# Altium PCB RTM_SFP.PcbDoc (part 15 of 17)
Units mil, origin at the board's own origin, x right, y up, seen from the top; angles counter-clockwise.
Board outline 7185 x 5846.5 mil, 4 copper layers (Top Layer, MidPlane_1, MidPlane_2, Bottom Layer), stack 63.553 mil thick; 389 components, 333 nets, 1578 pads, 1486 vias.
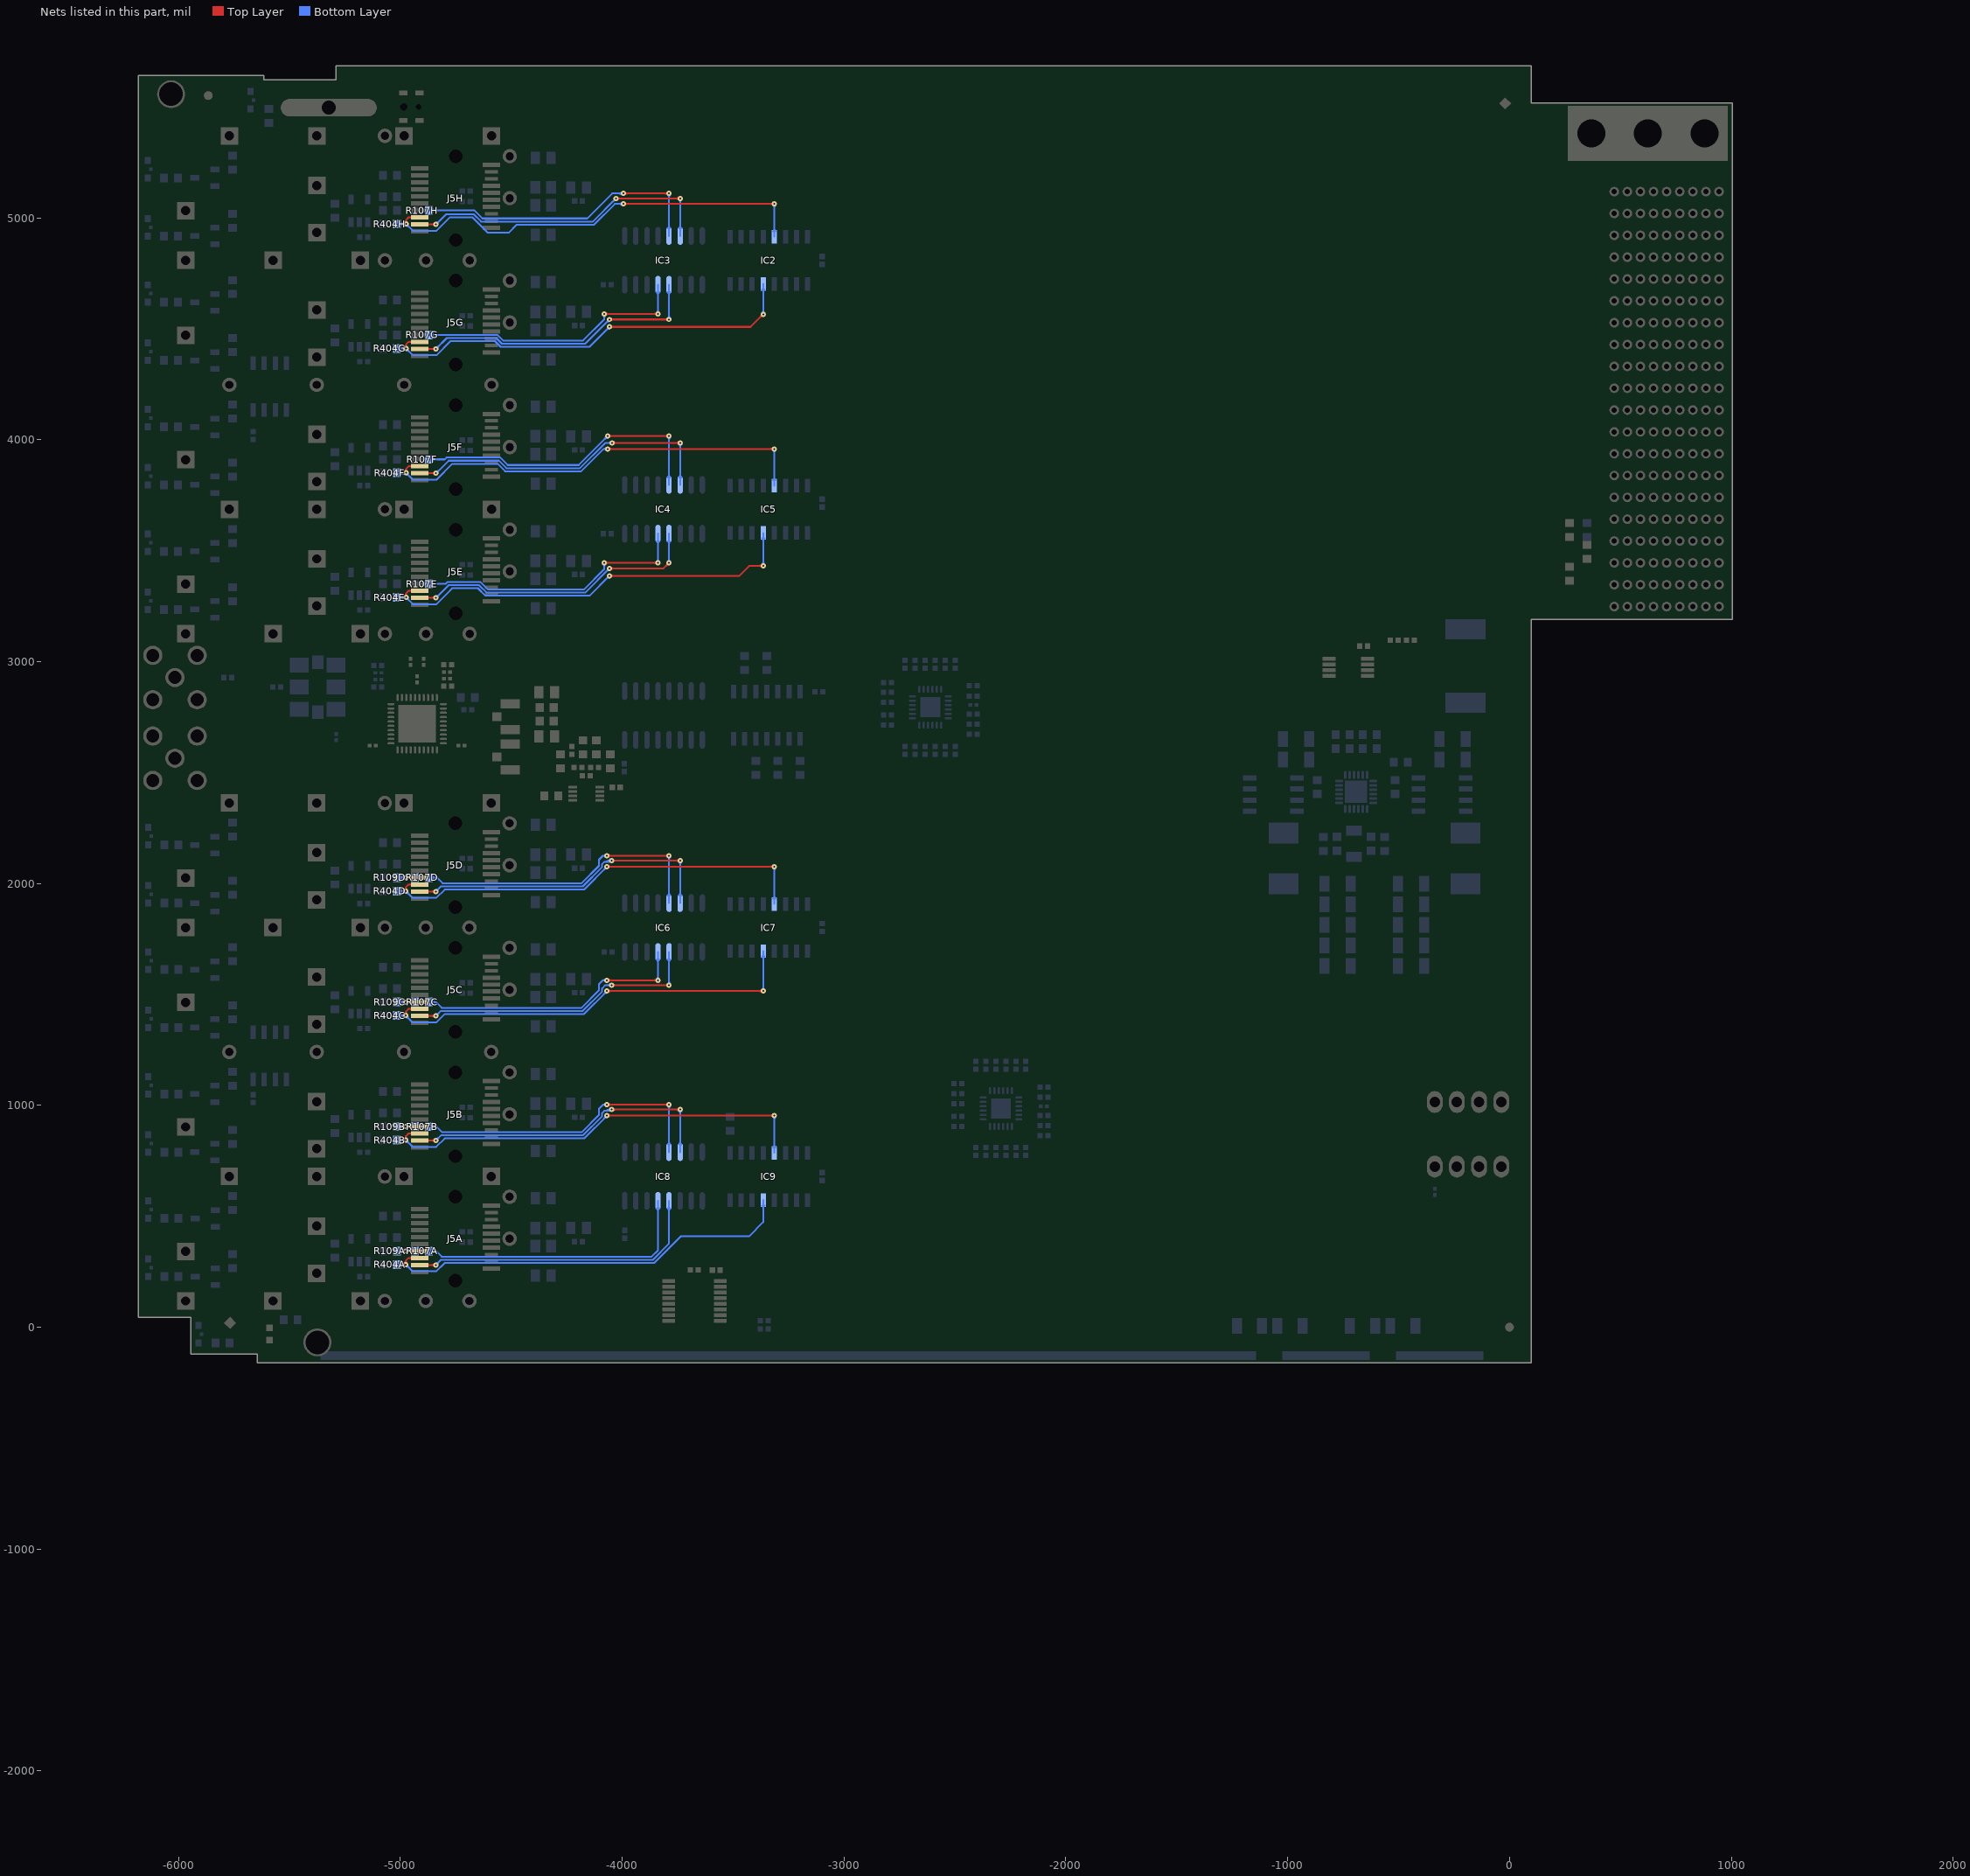
[diagram p17: the nets of this part, all layers, seen from the top]

## Via types
v1: diameter 23.62, hole 7.87, Top Layer to Bottom Layer, tented both sides, 1401 vias
v2: diameter 27.56, hole 11.81, Top Layer to Bottom Layer, tented both sides, 59 vias
v3: diameter 25.98, hole 12.99, Top Layer to Bottom Layer, tented top, 24 vias
v4: diameter 23.62, hole 11.81, Top Layer to Bottom Layer, tented both sides, 2 vias

## Nets (pads, with @x,y where several pads share a name; then routed paths per layer and width w, separated by ;. In a path a pad name is that pad's centre, name@x,y a point inside that pad or via, vN(x,y) a via of type N, cw(c..) or ccw(c..) an arc to the next point about the centre after c; other vN are vias at no path point) (continued)
SFP_LOS1: IC2.13 J5H.8 R404H.1 | length 2621
  Top Layer w7.99: v1(-4974.92,4972.64) -4974.92,4990.22 ; J5H.8@-4946.08,4998.09 ccw(c-4956.06,4988.11) -4956.06,5002.22 ccw(c-4956.06,5016.34) J5H.8@-4946.08,5006.36 ; J5H.8@-4912.42,5002.22 -4962.92,5002.22 -4974.92,4990.22 ; v1(-3995.28,5062.99) v1(-3314.17,5062.99) ; -4974.92,4990.22 cw(c-4990.79,4990.22) -4980.16,4978.44 ccw(c-4990.79,4990.22) -4974.92,4990.22 ; -4974.92,4990.22 ccw(c-4959.05,4990.22) -4969.68,4978.44 cw(c-4959.05,4990.22) -4974.92,4990.22 ; -3976.41,5062.99 cw(c-3976.41,5081.86) -3989.75,5068.52 ccw(c-3976.41,5081.86) -3976.41,5062.99 ; -3976.41,5062.99 ccw(c-3976.41,5044.12) -3989.75,5057.47 cw(c-3976.41,5044.12) -3976.41,5062.99 ; -3333.04,5062.99 cw(c-3333.04,5044.12) -3319.7,5057.47 ccw(c-3333.04,5044.12) -3333.04,5062.99 ; -3333.04,5062.99 ccw(c-3333.04,5081.86) -3319.7,5068.52 cw(c-3333.04,5081.86) -3333.04,5062.99
  Bottom Layer w7.99: R404H.1@-5015.75,4972.64 v1(-4974.92,4972.64) -4944.01,4941.73 -4837.66,4941.73 -4777.27,5002.12 -4674.47,5002.12 -4605.53,4933.17 -4511.71,4933.17 -4475.44,4969.44 -4126.42,4969.44 -4032.87,5062.99 v1(-3995.28,5062.99) ; R404H.1@-5006.05,4962.94 cw(c-4982.62,4939.52) -4982.62,4972.64 cw(c-4982.62,5005.76) R404H.1@-5006.05,4982.34 ; -4995.85,4969.1 cw(c-4990.71,4949.92) v1@-4979.38,4966.22 ; -4995.85,4976.18 ccw(c-4990.71,4995.36) v1@-4979.38,4979.06 ; -4989.01,4970.93 ccw(c-4992.13,4982.58) v1@-4981.69,4976.55 ; -4989.01,4974.35 cw(c-4992.13,4962.7) v1@-4981.69,4968.73 ; IC2.13@-3319.7,4939.05 ccw(c-3333.04,4952.39) -3314.17,4952.39 ccw(c-3295.31,4952.39) IC2.13@-3308.65,4939.05 ; IC2.13@-3314.17,4914.82 v1(-3314.17,5062.99) ; -4993.79,4972.64 cw(c-4993.79,4953.77) -4980.45,4967.11 ccw(c-4993.79,4953.77) -4993.79,4972.64 ; -4993.79,4972.64 ccw(c-4993.79,4991.51) -4980.45,4978.17 cw(c-4993.79,4991.51) -4993.79,4972.64 ; -4961.58,4959.3 cw(c-4948.24,4972.64) -4967.11,4972.64 ccw(c-4948.24,4972.64) -4961.58,4959.3 ; -4961.58,4959.3 ccw(c-4974.92,4945.96) -4974.92,4964.82 cw(c-4974.92,4945.96) -4961.58,4959.3 ; -4014.14,5062.99 cw(c-4014.14,5044.12) -4000.8,5057.47 ccw(c-4014.14,5044.12) -4014.14,5062.99 ; -4014.14,5062.99 ccw(c-4014.14,5081.86) -4000.8,5068.52 cw(c-4014.14,5081.86) -4014.14,5062.99 ; -3314.17,5044.12 cw(c-3295.31,5044.12) -3308.65,5057.47 ccw(c-3295.31,5044.12) -3314.17,5044.12 ; -3314.17,5044.12 ccw(c-3333.04,5044.12) -3319.7,5057.47 cw(c-3333.04,5044.12) -3314.17,5044.12
SFP_LOS2: IC2.5 J5G.8 R404G.1 | length 2579.7
  Top Layer w7.99: v1(-4974.92,4411.62) -4974.92,4429.2 ; J5G.8@-4946.08,4437.06 ccw(c-4956.06,4427.08) -4956.06,4441.2 ccw(c-4956.06,4455.31) J5G.8@-4946.08,4445.33 ; J5G.8@-4912.42,4441.2 -4962.92,4441.2 -4974.92,4429.2 ; v1(-4057.48,4508.66) -3421.26,4508.66 v1(-3364.17,4565.75) ; -3374.55,4556.18 cw(c-3361.5,4552.68) v1@-3364.21,4565.92 ; -3373.74,4555.37 ccw(c-3377.24,4568.42) v1@-3364,4565.71 ; -4974.92,4429.2 cw(c-4990.79,4429.2) -4980.16,4417.42 ccw(c-4990.79,4429.2) -4974.92,4429.2 ; -4974.92,4429.2 ccw(c-4959.05,4429.2) -4969.68,4417.42 cw(c-4959.05,4429.2) -4974.92,4429.2 ; -4038.61,4508.66 cw(c-4038.61,4527.53) -4051.95,4514.19 ccw(c-4038.61,4527.53) -4038.61,4508.66 ; -4038.61,4508.66 ccw(c-4038.61,4489.79) -4051.95,4503.14 cw(c-4038.61,4489.79) -4038.61,4508.66 ; -3377.51,4552.41 cw(c-3364.17,4539.07) -3364.17,4557.93 ccw(c-3364.17,4539.07) -3377.51,4552.41 ; -3377.51,4552.41 ccw(c-3390.86,4565.75) -3371.99,4565.75 cw(c-3390.86,4565.75) -3377.51,4552.41
  Bottom Layer w7.99: R404G.1@-5015.75,4411.62 v1(-4974.92,4411.62) -4944.01,4380.71 -4837.66,4380.71 -4773.93,4444.44 -4573.87,4444.44 -4548.31,4418.88 -4147.26,4418.88 v1(-4057.48,4508.66) ; R404G.1@-5006.05,4401.52 cw(c-4981.67,4377.14) v1@-4981.67,4411.62 ; R404G.1@-5006.05,4420.92 ccw(c-4983.58,4443.39) v1@-4983.58,4411.62 ; -4995.98,4407.78 cw(c-4990.61,4387.72) v1@-4979.21,4405.08 ; -4995.72,4414.87 ccw(c-4990.8,4433.21) v1@-4979.55,4417.91 ; -4989.52,4409.51 ccw(c-4992.86,4421.97) v1@-4981.69,4415.52 ; -4988.5,4412.94 cw(c-4991.4,4402.1) v1@-4981.69,4407.71 ; IC2.5@-3369.7,4677.99 cw(c-3383.04,4664.65) -3364.17,4664.65 cw(c-3345.31,4664.65) IC2.5@-3358.65,4677.99 ; v1(-3364.17,4565.75) IC2.5@-3364.17,4702.22 ; -4993.79,4411.62 cw(c-4993.79,4392.75) -4980.45,4406.09 ccw(c-4993.79,4392.75) -4993.79,4411.62 ; -4993.79,4411.62 ccw(c-4993.79,4430.48) -4980.45,4417.14 cw(c-4993.79,4430.48) -4993.79,4411.62 ; -4961.58,4398.27 cw(c-4948.24,4411.62) -4967.11,4411.62 ccw(c-4948.24,4411.62) -4961.58,4398.27 ; -4961.58,4398.27 ccw(c-4974.92,4384.93) -4974.92,4403.8 cw(c-4974.92,4384.93) -4961.58,4398.27 ; -4070.82,4495.32 cw(c-4057.48,4481.98) -4057.48,4500.85 ccw(c-4057.48,4481.98) -4070.82,4495.32 ; -4070.82,4495.32 ccw(c-4084.16,4508.66) -4065.3,4508.66 cw(c-4084.16,4508.66) -4070.82,4495.32 ; -3364.17,4584.62 cw(c-3383.04,4584.62) -3369.7,4571.27 ccw(c-3383.04,4584.62) -3364.17,4584.62 ; -3364.17,4584.62 ccw(c-3345.31,4584.62) -3358.65,4571.27 cw(c-3345.31,4584.62) -3364.17,4584.62
SFP_LOS3: IC5.13 J5F.8 R404F.1 | length 2613.8
  Top Layer w7.99: v1(-4974.92,3850.59) -4974.92,3868.17 ; J5F.8@-4946.08,3876.04 ccw(c-4956.06,3866.06) -4956.06,3880.17 ccw(c-4956.06,3894.29) J5F.8@-4946.08,3884.31 ; J5F.8@-4912.42,3880.17 -4962.92,3880.17 -4974.92,3868.17 ; v1(-4065.75,3958.56) v1(-3314.18,3958.56) ; -4974.92,3868.17 cw(c-4990.79,3868.17) -4980.16,3856.39 ccw(c-4990.79,3868.17) -4974.92,3868.17 ; -4974.92,3868.17 ccw(c-4959.05,3868.17) -4969.68,3856.39 cw(c-4959.05,3868.17) -4974.92,3868.17 ; -4046.88,3958.56 cw(c-4046.88,3977.43) -4060.22,3964.08 ccw(c-4046.88,3977.43) -4046.88,3958.56 ; -4046.88,3958.56 ccw(c-4046.88,3939.69) -4060.22,3953.03 cw(c-4046.88,3939.69) -4046.88,3958.56 ; -3333.04,3958.56 cw(c-3333.04,3939.69) -3319.7,3953.03 ccw(c-3333.04,3939.69) -3333.04,3958.56 ; -3333.04,3958.56 ccw(c-3333.04,3977.43) -3319.7,3964.08 cw(c-3333.04,3977.43) -3333.04,3958.56
  Bottom Layer w7.99: R404F.1@-5015.75,3850.59 v1(-4974.92,3850.59) -4944.01,3819.69 -4837.66,3819.69 -4765.79,3891.55 -4561.3,3891.55 -4527.6,3857.86 -4184.85,3857.86 -4084.15,3958.56 ; R404F.1@-5006.05,3840.89 cw(c-4982.62,3817.47) -4982.62,3850.59 cw(c-4982.63,3883.71) R404F.1@-5006.05,3860.29 ; -4995.85,3847.05 cw(c-4990.71,3827.87) v1@-4979.38,3844.17 ; -4995.85,3854.14 ccw(c-4990.71,3873.31) v1@-4979.38,3857.01 ; -4989.01,3848.88 ccw(c-4992.13,3860.53) v1@-4981.69,3854.5 ; -4989.01,3852.3 cw(c-4992.13,3840.66) v1@-4981.69,3846.68 ; v1@-4066.43,3958.56 -4084.15,3958.56 ; IC5.13@-3319.7,3817 ccw(c-3333.04,3830.34) -3314.17,3830.34 ccw(c-3295.31,3830.34) IC5.13@-3308.65,3817 ; IC5.13@-3314.17,3792.77 v1(-3314.18,3958.56) ; -4993.79,3850.59 cw(c-4993.79,3831.72) -4980.45,3845.07 ccw(c-4993.79,3831.72) -4993.79,3850.59 ; -4993.79,3850.59 ccw(c-4993.79,3869.46) -4980.45,3856.12 cw(c-4993.79,3869.46) -4993.79,3850.59 ; -4961.58,3837.25 cw(c-4948.24,3850.59) -4967.11,3850.59 ccw(c-4948.24,3850.59) -4961.58,3837.25 ; -4961.58,3837.25 ccw(c-4974.92,3823.91) -4974.92,3842.78 cw(c-4974.92,3823.91) -4961.58,3837.25 ; -4084.15,3958.56 cw(c-4084.15,3940.8) -4071.37,3953.13 ccw(c-4084.15,3940.8) -4084.15,3958.56 ; -4084.15,3958.56 ccw(c-4084.15,3976.31) -4071.37,3963.98 cw(c-4084.15,3976.31) -4084.15,3958.56 ; -3314.17,3939.7 cw(c-3295.31,3939.7) -3308.65,3953.03 ccw(c-3295.31,3939.7) -3314.17,3939.7 ; -3314.17,3939.69 ccw(c-3333.05,3939.69) -3319.7,3953.03 cw(c-3333.05,3939.69) -3314.17,3939.69
SFP_LOS4: IC5.5 J5E.8 R404E.1 | length 2563.7
  Top Layer w7.99: v1(-4974.92,3289.57) -4974.92,3307.15 ; J5E.8@-4946.08,3315.02 ccw(c-4956.06,3305.04) -4956.06,3319.15 ccw(c-4956.06,3333.26) J5E.8@-4946.08,3323.28 ; J5E.8@-4912.42,3319.15 -4962.92,3319.15 -4974.92,3307.15 ; v1(-4057.48,3386.61) -3471.26,3386.61 -3425.98,3431.89 v1(-3364.17,3431.89) ; -4974.92,3307.15 cw(c-4990.79,3307.15) -4980.16,3295.37 ccw(c-4990.79,3307.15) -4974.92,3307.15 ; -4974.92,3307.15 ccw(c-4959.05,3307.15) -4969.68,3295.37 cw(c-4959.05,3307.15) -4974.92,3307.15 ; -4038.61,3386.61 cw(c-4038.61,3405.48) -4051.95,3392.14 ccw(c-4038.61,3405.48) -4038.61,3386.61 ; -4038.61,3386.61 ccw(c-4038.61,3367.75) -4051.95,3381.09 cw(c-4038.61,3367.75) -4038.61,3386.61 ; -3383.04,3431.89 cw(c-3383.04,3413.02) -3369.7,3426.36 ccw(c-3383.04,3413.02) -3383.04,3431.89 ; -3383.04,3431.89 ccw(c-3383.04,3450.76) -3369.7,3437.42 cw(c-3383.04,3450.76) -3383.04,3431.89
  Bottom Layer w7.99: R404E.1@-5015.75,3289.57 v1(-4974.92,3289.57) -4944.01,3258.66 -4837.66,3258.66 -4773.93,3322.39 -4765.39,3330.92 -4650.83,3330.92 -4616.75,3296.83 -4147.26,3296.83 v1(-4057.48,3386.61) ; R404E.1@-5006.05,3279.87 cw(c-4982.62,3256.44) -4982.62,3289.57 cw(c-4982.62,3322.69) R404E.1@-5006.05,3299.27 ; -4995.85,3286.02 cw(c-4990.71,3266.85) v1@-4979.38,3283.15 ; -4995.85,3293.11 ccw(c-4990.71,3312.29) v1@-4979.38,3295.99 ; -4989.01,3287.86 ccw(c-4992.13,3299.51) v1@-4981.69,3293.48 ; -4989.01,3291.28 cw(c-4992.13,3279.63) v1@-4981.69,3285.66 ; IC5.5@-3369.7,3555.95 cw(c-3383.04,3542.61) -3364.17,3542.61 cw(c-3345.31,3542.61) IC5.5@-3358.65,3555.95 ; v1(-3364.17,3431.89) IC5.5@-3364.17,3580.17 ; -4993.79,3289.57 cw(c-4993.79,3270.7) -4980.45,3284.04 ccw(c-4993.79,3270.7) -4993.79,3289.57 ; -4993.79,3289.57 ccw(c-4993.79,3308.44) -4980.45,3295.09 cw(c-4993.79,3308.44) -4993.79,3289.57 ; -4961.58,3276.23 cw(c-4948.24,3289.57) -4967.11,3289.57 ccw(c-4948.24,3289.57) -4961.58,3276.23 ; -4961.58,3276.23 ccw(c-4974.92,3262.89) -4974.92,3281.75 cw(c-4974.92,3262.89) -4961.58,3276.23 ; -4070.82,3373.27 cw(c-4057.48,3359.93) -4057.48,3378.8 ccw(c-4057.48,3359.93) -4070.82,3373.27 ; -4070.82,3373.27 ccw(c-4084.16,3386.61) -4065.3,3386.61 cw(c-4084.16,3386.61) -4070.82,3373.27 ; -3364.17,3450.76 cw(c-3383.04,3450.76) -3369.7,3437.42 ccw(c-3383.04,3450.76) -3364.17,3450.76 ; -3364.17,3450.76 ccw(c-3345.31,3450.76) -3358.65,3437.42 cw(c-3345.31,3450.76) -3364.17,3450.76
SFP_LOS5: IC7.13 J5D.8 R404D.1 | length 2592.9
  Top Layer w7.99: v1(-4975.48,1965.54) -4975.48,1983.13 ; J5D.8@-4946.64,1990.99 ccw(c-4956.62,1981.01) -4956.62,1995.13 ccw(c-4956.62,2009.24) J5D.8@-4946.64,1999.26 ; J5D.8@-4912.98,1995.13 -4963.48,1995.13 -4975.48,1983.13 ; v1(-4068.91,2075.88) v1(-3314.17,2075.88) ; -4975.48,1983.13 cw(c-4991.35,1983.13) -4980.72,1971.35 ccw(c-4991.35,1983.13) -4975.48,1983.13 ; -4975.48,1983.13 ccw(c-4959.61,1983.13) -4970.24,1971.35 cw(c-4959.61,1983.13) -4975.48,1983.13 ; -4050.04,2075.88 cw(c-4050.04,2094.75) -4063.38,2081.41 ccw(c-4050.04,2094.75) -4050.04,2075.88 ; -4050.04,2075.88 ccw(c-4050.04,2057.02) -4063.38,2070.36 cw(c-4050.04,2057.02) -4050.04,2075.88 ; -3333.04,2075.88 cw(c-3333.04,2057.02) -3319.7,2070.36 ccw(c-3333.04,2057.02) -3333.04,2075.88 ; -3333.04,2075.88 ccw(c-3333.04,2094.75) -3319.7,2081.41 cw(c-3333.04,2094.75) -3333.04,2075.88
  Bottom Layer w7.99: R404D.1@-5016.31,1965.54 v1(-4975.48,1965.54) -4944.57,1934.64 -4838.22,1934.64 -4800.04,1972.81 -4171.87,1972.81 -4068.91,2075.77 v1(-4068.91,2075.88) ; R404D.1@-5006.05,1955.84 cw(c-4982.62,1932.42) -4982.62,1965.54 cw(c-4982.62,1998.67) R404D.1@-5006.05,1975.25 ; -4996.09,1961.94 cw(c-4991.05,1943.11) v1@-4979.93,1959.12 ; -4996.09,1969.15 ccw(c-4991.05,1987.98) v1@-4979.93,1971.97 ; -4989.87,1963.6 ccw(c-4993.12,1975.73) v1@-4982.25,1969.45 ; -4989.87,1967.49 cw(c-4993.12,1955.36) v1@-4982.25,1961.64 ; IC7.13@-3319.7,1931.95 ccw(c-3333.04,1945.29) -3314.17,1945.29 ccw(c-3295.31,1945.29) IC7.13@-3308.65,1931.95 ; IC7.13@-3314.17,1907.72 v1(-3314.17,2075.88) ; -4994.35,1965.54 cw(c-4994.35,1946.68) -4981.01,1960.02 ccw(c-4994.35,1946.68) -4994.35,1965.54 ; -4994.35,1965.54 ccw(c-4994.35,1984.41) -4981.01,1971.07 cw(c-4994.35,1984.41) -4994.35,1965.54 ; -4962.14,1952.2 cw(c-4948.8,1965.54) -4967.66,1965.54 ccw(c-4948.8,1965.54) -4962.14,1952.2 ; -4962.14,1952.2 ccw(c-4975.48,1938.86) -4975.48,1957.73 cw(c-4975.48,1938.86) -4962.14,1952.2 ; -3314.17,2057.02 cw(c-3295.31,2057.02) -3308.65,2070.36 ccw(c-3295.31,2057.02) -3314.17,2057.02 ; -3314.17,2057.02 ccw(c-3333.04,2057.02) -3319.7,2070.36 cw(c-3333.04,2057.02) -3314.17,2057.02 ; -4082.33,2062.35 ccw(c-4095.86,2075.88) -4076.72,2075.88 cw(c-4095.86,2075.88) -4082.33,2062.35 ; -4082.05,2062.62 cw(c-4068.91,2049.48) -4068.91,2068.07 ccw(c-4068.91,2049.48) -4082.05,2062.62
SFP_LOS6: IC7.5 J5C.8 R404C.1 | length 2555
  Top Layer w7.99: v1(-4975.48,1404.52) -4975.48,1422.1 ; J5C.8@-4946.64,1429.97 ccw(c-4956.62,1419.99) -4956.62,1434.1 ccw(c-4956.62,1448.22) J5C.8@-4946.64,1438.24 ; J5C.8@-4912.98,1434.1 -4963.48,1434.1 -4975.48,1422.1 ; v1(-4068.91,1514.86) v1(-3364.17,1514.86) ; -4975.48,1422.1 cw(c-4991.35,1422.1) -4980.72,1410.32 ccw(c-4991.35,1422.1) -4975.48,1422.1 ; -4975.48,1422.1 ccw(c-4959.61,1422.1) -4970.24,1410.32 cw(c-4959.61,1422.1) -4975.48,1422.1 ; -4050.04,1514.86 cw(c-4050.04,1533.73) -4063.38,1520.39 ccw(c-4050.04,1533.73) -4050.04,1514.86 ; -4050.04,1514.86 ccw(c-4050.04,1495.99) -4063.38,1509.33 cw(c-4050.04,1495.99) -4050.04,1514.86 ; -3383.04,1514.86 cw(c-3383.04,1495.99) -3369.7,1509.33 ccw(c-3383.04,1495.99) -3383.04,1514.86 ; -3383.04,1514.86 ccw(c-3383.04,1533.73) -3369.7,1520.39 cw(c-3383.04,1533.73) -3383.04,1514.86
  Bottom Layer w7.99: R404C.1@-5016.31,1404.52 v1(-4975.48,1404.52) -4944.57,1373.61 -4838.22,1373.61 -4800.04,1411.79 -4171.86,1411.79 -4068.91,1514.75 v1(-4068.91,1514.86) ; R404C.1@-5006.05,1394.82 cw(c-4982.62,1371.4) -4982.62,1404.52 cw(c-4982.62,1437.65) R404C.1@-5006.05,1414.22 ; -4996.09,1400.91 cw(c-4991.05,1382.08) v1@-4979.93,1398.1 ; -4996.09,1408.13 ccw(c-4991.05,1426.96) v1@-4979.93,1410.94 ; -4989.87,1402.58 ccw(c-4993.12,1414.71) v1@-4982.25,1408.43 ; -4989.87,1406.46 cw(c-4993.12,1394.34) v1@-4982.25,1400.61 ; IC7.5@-3369.7,1670.9 cw(c-3383.04,1657.56) -3364.17,1657.56 cw(c-3345.31,1657.56) IC7.5@-3358.65,1670.9 ; v1(-3364.17,1514.86) IC7.5@-3364.17,1695.13 ; -4994.35,1404.52 cw(c-4994.35,1385.65) -4981.01,1398.99 ccw(c-4994.35,1385.65) -4994.35,1404.52 ; -4994.35,1404.52 ccw(c-4994.35,1423.39) -4981.01,1410.05 cw(c-4994.35,1423.39) -4994.35,1404.52 ; -4962.14,1391.18 cw(c-4948.8,1404.52) -4967.66,1404.52 ccw(c-4948.8,1404.52) -4962.14,1391.18 ; -4962.14,1391.18 ccw(c-4975.48,1377.84) -4975.48,1396.71 cw(c-4975.48,1377.84) -4962.14,1391.18 ; -3364.17,1533.73 cw(c-3383.04,1533.73) -3369.7,1520.39 ccw(c-3383.04,1533.73) -3364.17,1533.73 ; -3364.17,1533.73 ccw(c-3345.31,1533.73) -3358.65,1520.39 cw(c-3345.31,1533.73) -3364.17,1533.73 ; -4082.33,1501.32 ccw(c-4095.86,1514.86) -4076.72,1514.86 cw(c-4095.86,1514.86) -4082.33,1501.32 ; -4082.05,1501.6 cw(c-4068.91,1488.45) -4068.91,1507.04 ccw(c-4068.91,1488.45) -4082.05,1501.6
SFP_LOS7: IC9.13 J5B.8 R404B.1 | length 2592.9
  Top Layer w7.99: v1(-4975.48,843.5) -4975.48,861.08 ; J5B.8@-4946.64,868.94 ccw(c-4956.62,858.96) -4956.62,873.08 ccw(c-4956.62,887.19) J5B.8@-4946.64,877.21 ; J5B.8@-4912.98,873.08 -4963.48,873.08 -4975.48,861.08 ; v1(-4068.91,953.84) v1(-3314.17,953.84) ; -4975.48,861.08 cw(c-4991.35,861.08) -4980.72,849.3 ccw(c-4991.35,861.08) -4975.48,861.08 ; -4975.48,861.08 ccw(c-4959.61,861.08) -4970.24,849.3 cw(c-4959.61,861.08) -4975.48,861.08 ; -4050.04,953.84 cw(c-4050.04,972.7) -4063.38,959.36 ccw(c-4050.04,972.7) -4050.04,953.84 ; -4050.04,953.84 ccw(c-4050.04,934.97) -4063.38,948.31 cw(c-4050.04,934.97) -4050.04,953.84 ; -3333.04,953.84 cw(c-3333.04,934.97) -3319.7,948.31 ccw(c-3333.04,934.97) -3333.04,953.84 ; -3333.04,953.84 ccw(c-3333.04,972.7) -3319.7,959.36 cw(c-3333.04,972.7) -3333.04,953.84
  Bottom Layer w7.99: R404B.1@-5016.31,843.5 v1(-4975.48,843.5) -4944.57,812.59 -4838.22,812.59 -4800.04,850.76 -4215.76,850.76 -4171.87,850.76 -4068.91,953.72 v1(-4068.91,953.84) ; R404B.1@-5006.05,833.8 cw(c-4982.62,810.37) -4982.62,843.5 cw(c-4982.62,876.62) R404B.1@-5006.05,853.2 ; -4996.09,839.89 cw(c-4991.05,821.06) v1@-4979.93,837.08 ; -4996.09,847.11 ccw(c-4991.05,865.94) v1@-4979.93,849.92 ; -4989.87,841.56 ccw(c-4993.12,853.68) v1@-4982.25,847.4 ; -4989.87,845.44 cw(c-4993.12,833.31) v1@-4982.25,839.59 ; IC9.13@-3319.7,809.9 ccw(c-3333.04,823.24) -3314.17,823.24 ccw(c-3295.31,823.24) IC9.13@-3308.65,809.9 ; IC9.13@-3314.17,785.68 v1(-3314.17,953.84) ; -4994.35,843.5 cw(c-4994.35,824.63) -4981.01,837.97 ccw(c-4994.35,824.63) -4994.35,843.5 ; -4994.35,843.5 ccw(c-4994.35,862.36) -4981.01,849.02 cw(c-4994.35,862.36) -4994.35,843.5 ; -4962.14,830.16 cw(c-4948.8,843.5) -4967.66,843.5 ccw(c-4948.8,843.5) -4962.14,830.16 ; -4962.14,830.16 ccw(c-4975.48,816.81) -4975.48,835.68 cw(c-4975.48,816.81) -4962.14,830.16 ; -3314.17,934.97 cw(c-3295.31,934.97) -3308.65,948.31 ccw(c-3295.31,934.97) -3314.17,934.97 ; -3314.17,934.97 ccw(c-3333.04,934.97) -3319.7,948.31 cw(c-3333.04,934.97) -3314.17,934.97 ; -4082.33,940.3 ccw(c-4095.86,953.84) -4076.72,953.84 cw(c-4095.86,953.84) -4082.33,940.3 ; -4082.05,940.58 cw(c-4068.91,927.43) -4068.91,946.02 ccw(c-4068.91,927.43) -4082.05,940.58
SFP_LOS8: IC9.5 J5A.8 R404A.1 | length 2270.3
  Top Layer w7.99: v1(-4975.48,282.47) -4975.48,300.06 ; J5A.8@-4946.64,307.92 ccw(c-4956.62,297.94) -4956.62,312.06 ccw(c-4956.62,326.17) J5A.8@-4946.64,316.19 ; J5A.8@-4912.98,312.05 -4963.48,312.05 -4975.48,300.06 ; -4975.48,300.05 cw(c-4991.35,300.05) -4980.72,288.27 ccw(c-4991.35,300.05) -4975.48,300.05 ; -4975.48,300.05 ccw(c-4959.61,300.05) -4970.24,288.27 cw(c-4959.61,300.05) -4975.48,300.05
  Bottom Layer w7.99: R404A.1@-5016.31,282.47 v1(-4975.48,282.47) -4944.57,251.57 -4838.22,251.57 -4800.04,289.74 -3856.12,289.74 -3736.2,409.66 -3428.53,409.66 -3364.17,474.02 IC9.5@-3364.17,573.08 ; R404A.1@-5006.05,272.77 cw(c-4982.62,249.35) -4982.62,282.47 cw(c-4982.62,315.6) R404A.1@-5006.05,292.17 ; -4996.09,278.86 cw(c-4991.05,260.03) v1@-4979.93,276.05 ; -4996.09,286.08 ccw(c-4991.05,304.91) v1@-4979.93,288.89 ; -4989.87,280.53 ccw(c-4993.12,292.66) v1@-4982.25,286.38 ; -4989.87,284.41 cw(c-4993.12,272.29) v1@-4982.25,278.57 ; IC9.5@-3369.7,548.85 cw(c-3383.04,535.51) -3364.17,535.51 cw(c-3345.31,535.51) IC9.5@-3358.65,548.85 ; -4994.35,282.47 cw(c-4994.35,263.61) -4981.01,276.95 ccw(c-4994.35,263.61) -4994.35,282.47 ; -4994.35,282.47 ccw(c-4994.35,301.34) -4981.01,288 cw(c-4994.35,301.34) -4994.35,282.47 ; -4962.14,269.13 cw(c-4948.8,282.47) -4967.66,282.47 ccw(c-4948.8,282.47) -4962.14,269.13 ; -4962.14,269.13 ccw(c-4975.48,255.79) -4975.48,274.66 cw(c-4975.48,255.79) -4962.14,269.13
SFP_RS0_1: IC3.5 R107H.2 | length 1646.3
  Top Layer w7.99: v1(-3995.28,5109.84) v1(-3788.78,5109.84) ; -3976.41,5109.84 cw(c-3976.41,5128.71) -3989.75,5115.37 ccw(c-3976.41,5128.71) -3976.41,5109.84 ; -3976.41,5109.84 ccw(c-3976.41,5090.98) -3989.75,5104.32 cw(c-3976.41,5090.98) -3976.41,5109.84 ; -3807.65,5109.84 cw(c-3807.65,5090.98) -3794.31,5104.32 ccw(c-3807.65,5090.98) -3807.65,5109.84 ; -3807.65,5109.84 ccw(c-3807.65,5128.71) -3794.31,5115.37 cw(c-3807.65,5128.71) -3807.65,5109.84
  Bottom Layer w7.99: R107H.2@-4870.65,5033.46 -4666.24,5033.46 -4630.2,4997.43 -4157.1,4997.43 -4044.68,5109.84 v1(-3995.28,5109.84) ; R107H.2@-4860.95,5023.76 cw(c-4837.53,5000.34) -4837.53,5033.46 cw(c-4837.53,5066.59) R107H.2@-4860.95,5043.17 ; IC3.5@-3794.44,4952.18 ccw(c-3808.1,4965.84) -3788.78,4965.84 ccw(c-3769.46,4965.84) IC3.5@-3783.12,4952.18 ; IC3.5@-3788.78,4918.52 v1@-3788.78,5101.97 ; -4014.14,5109.84 cw(c-4014.14,5090.98) -4000.8,5104.32 ccw(c-4014.14,5090.98) -4014.14,5109.84 ; -4014.14,5109.84 ccw(c-4014.14,5128.71) -4000.8,5115.37 cw(c-4014.14,5128.71) -4014.14,5109.84 ; -3788.78,5090.98 cw(c-3769.91,5090.98) -3783.25,5104.32 ccw(c-3769.91,5090.98) -3788.78,5090.98 ; -3788.78,5090.98 ccw(c-3807.65,5090.98) -3794.31,5104.32 cw(c-3807.65,5090.98) -3788.78,5090.98
SFP_RS0_2: IC3.13 R107G.2 | length 1560.7
  Top Layer w7.99: v1(-4081.1,4566.93) v1(-3838.78,4566.93) ; -4062.24,4566.93 cw(c-4062.24,4585.8) -4075.58,4572.46 ccw(c-4062.24,4585.8) -4062.24,4566.93 ; -4062.24,4566.93 ccw(c-4062.24,4548.06) -4075.58,4561.4 cw(c-4062.24,4548.06) -4062.24,4566.93 ; -3857.65,4566.93 cw(c-3857.65,4548.06) -3844.31,4561.4 ccw(c-3857.65,4548.06) -3857.65,4566.93 ; -3857.65,4566.93 ccw(c-3857.65,4585.8) -3844.31,4572.46 cw(c-3857.65,4585.8) -3857.65,4566.93